# Altium PCB PCB_Vega.PcbDoc (part 1 of 2) (continued)
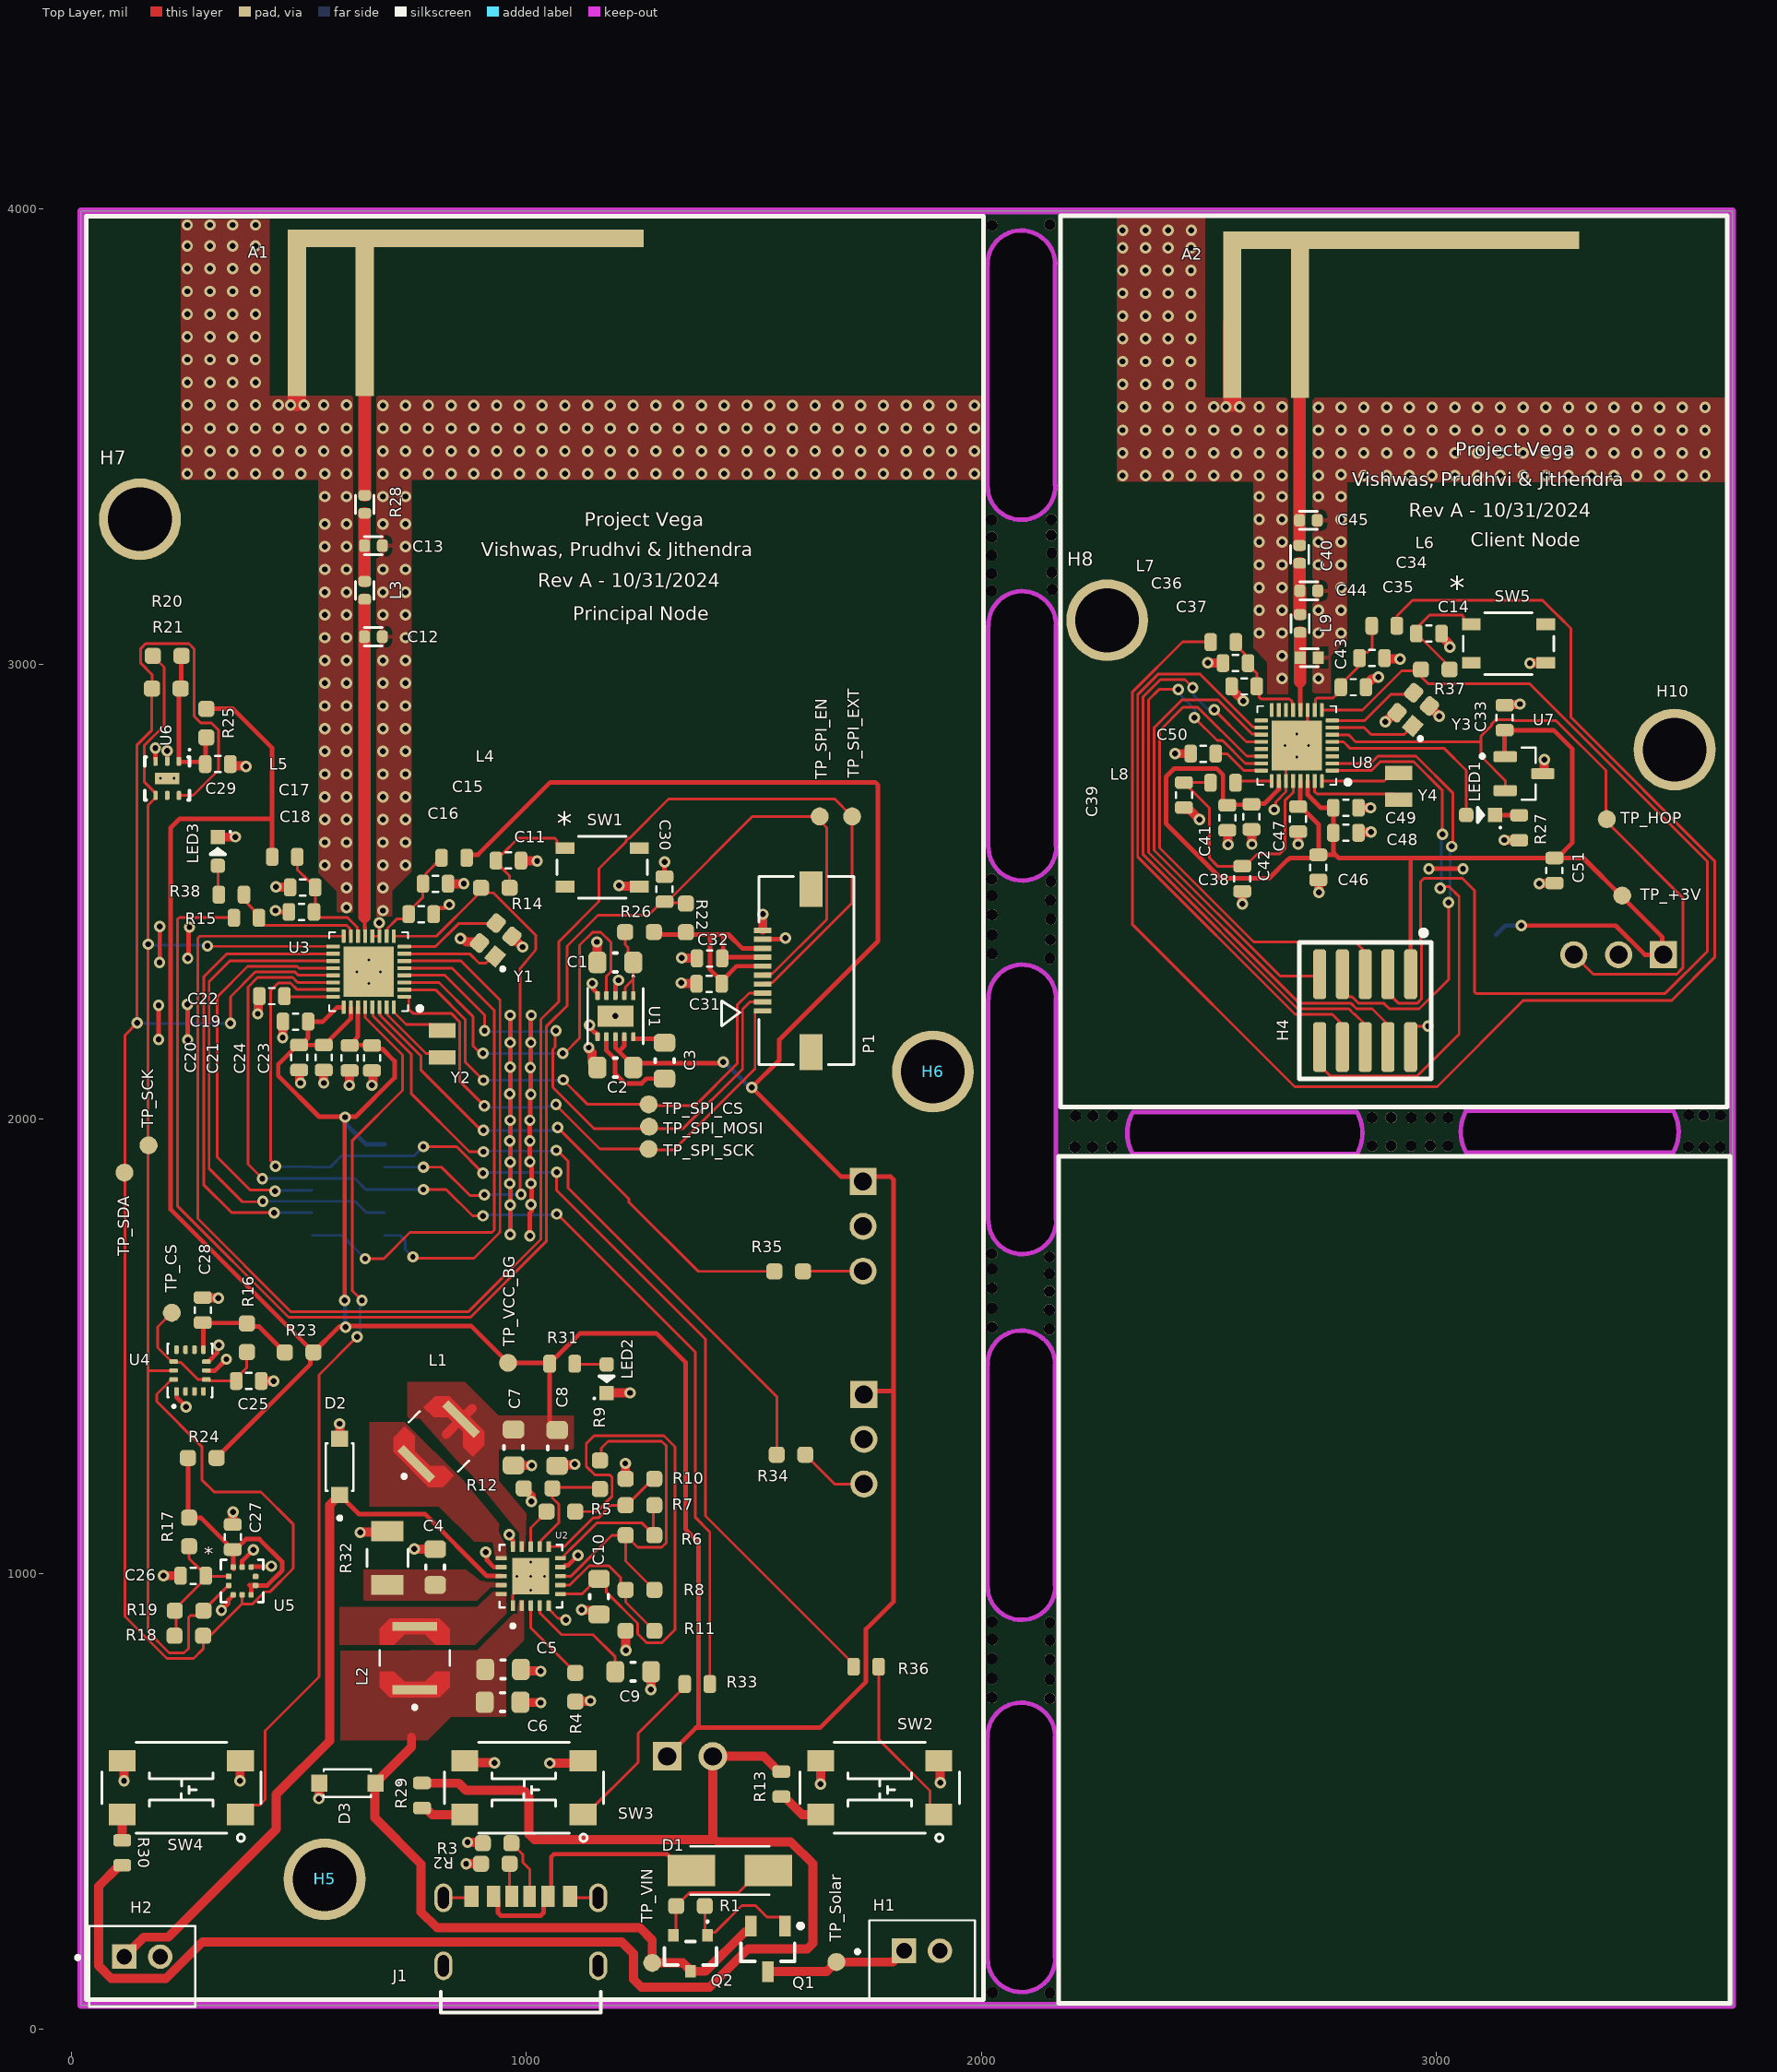
[diagram p0: Top Layer view]
## Part data (continued)
J1: library part "USB-C Power Connector", "USB Connector, 24 Contact(s), Female, Right Angle, Solder Terminal, Locking, Receptacle", Manufacturer="Global Connector Technology", Manufacturer Part Number=USB4125-GF-A_REVA2, Package=None, Supplier Part Number=2073-USB4125-GF-ACT-ND, Availability=Unavailable, Category=Connectors, ComponentLink1Description=https://datasheet.octopart.com/USB4125-GF-A-Global-Connector-Technology-datasheet-148864632.pdf?src-supplier=Future+Electronics, ComponentLink1URL=https://datasheet.octopart.com/USB4125-GF-A-Global-Connector-Technology-datasheet-148864632.pdf?src-supplier=Future+Electronics, ComponentLink2Description=https://datasheet.octopart.com/USB4125-GF-A-GCT-datasheet-166929326.pdf?src-supplier=SOS+electronic, ComponentLink2URL=https://datasheet.octopart.com/USB4125-GF-A-GCT-datasheet-166929326.pdf?src-supplier=SOS+electronic, Gender=Receptacle, Orientation=Horizontal, Pins=6, Price=None, Pricing="1=0.8, 10=0.609, 25=0.5472, 50=0.505, 100=0.4667, 250=0.42128, 500=0.3905, 1000=0.36254, 2000=0.3372, 3000=0.32348, 5000=0.3073, 7000=0.29727, 10000=0.28716, 25000=0.2675 (USD)", RoHS=No, Stock=9026, Supplier=Digikey
J2: "Connector Header Through Hole 3 position 0.098 (2.50mm)", Package=None, Supplier Part Number 1=455-S3B-XH-A-ND, Check_prices=https://www.snapeda.com/parts/B3B-XH-A(LF)(SN)/JST+Sales+America+Inc./view-part/?ref=eda, MF="JST Sales", MP=B3B-XH-A(LF)(SN), SnapEDA_Link=https://www.snapeda.com/parts/B3B-XH-A(LF)(SN)/JST+Sales+America+Inc./view-part/?ref=snap, Supplier 1=Digikey
J3 J4: "Board Connector, 3 Contact(s), 1 Row(s), Male, Right Angle, Solder Terminal", Manufacturer=JST, Package=None, Supplier Part Number=455-S3B-XH-A-ND, Category="FFC / FPC", Check_prices=https://www.snapeda.com/parts/B3B-XH-A(LF)(SN)/JST+Sales+America+Inc./view-part/?ref=eda, ComponentLink1Description=https://datasheet.ciiva.com/8052/621903-8052222.pdf?src-supplier=Element14, ComponentLink1URL=https://datasheet.ciiva.com/8052/621903-8052222.pdf?src-supplier=Element14, Contact Material=Brass, Contact Plating=Tin, Gender=Male, Manufacturer Part Number=S3B-XH-A, MF="JST Sales", MP=B3B-XH-A(LF)(SN), Number of Contacts=3, Number of Rows=1, Pricing="1=0.19, 10=0.146, 100=0.1118, 500=0.09304, 1000=0.08614, 5000=0.07248, 10000=0.06971 (USD)", Reach SVHC Compliant=No, RoHS=Yes, Series=XH, SnapEDA_Link=https://www.snapeda.com/parts/B3B-XH-A(LF)(SN)/JST+Sales+America+Inc./view-part/?ref=snap, Stock=168930, Supplier=Digikey, Supplier 1=Digikey, Supplier Part Number 1=455-S3B-XH-A-ND, Termination="Through Hole"
L1: library part LPS4018-103MRB, "Power inductor, shielded, 20/30% tol, SMT, RoHS, lead-free, halogen-free", Package=None, Check_prices=https://www.snapeda.com/parts/LPS4018-103MRB/Coilcraft/view-part/?ref=eda, MF=Coilcraft, MP=LPS4018-103MRB, SnapEDA_Link=https://www.snapeda.com/parts/LPS4018-103MRB/Coilcraft/view-part/?ref=snap
L2: library part LPS4018-223MRC, "22 µH Shielded Drum Core Inductor 650 mA 360mOhm Max Nonstandard", Package=None, Check_prices=https://www.snapeda.com/parts/LPS4018-223MRC/Coilcraft/view-part/?ref=eda, MF=Coilcraft, MP=LPS4018-223MRC, SnapEDA_Link=https://www.snapeda.com/parts/LPS4018-223MRC/Coilcraft/view-part/?ref=snap
L3 L9: library part IND_0402, "Inductor Package 0603", Package="0603 Murata", Availability=Unavailable, MF="Murata Electronics", MP=LQM18DN100M70L, Price=None, SnapEDA_Link=https://www.snapeda.com/parts/LQM18DN100M70L/Murata/view-part/4834755/?ref=snap
L4 L5 L6 L7 L8: library part LQM18DN100M70L, "Inductor with Inductance 10uH Tol.+/-20% Package 0603 (1608)", Package="0603 Murata", Availability=Unavailable, MF="Murata Electronics", MP=LQM18DN100M70L, Price=None, SnapEDA_Link=https://www.snapeda.com/parts/LQM18DN100M70L/Murata/view-part/4834755/?ref=snap
LED1 LED3: library part LED_green, "LED, 0603, GREEN, 430MCD, 520NM", Color=Green, Current - Test=20mA, Manufacturer="Wurth Electronics", Manufacturer Part Number=150060GS75000, Millicandela Rating=430mcd, Package / Case="0603 (1608 Metric)", Standard Package=4,000, Supplier Part Number 1=732-4971-1-ND, Voltage - Forward (Vf) (Typ)=3.2V, 3D Model="SMCW_0603.igs /  / SMCW_0603.stp /  / SMCW_0603.wrl", Category=Optoelectronics, ComponentLink1Description=https://katalog.we-online.de/led/datasheet/150060GS75000.pdf?src-supplier=Digi-Key, ComponentLink1URL=https://katalog.we-online.de/led/datasheet/150060GS75000.pdf?src-supplier=Digi-Key, ComponentLink2Description=http://www.produktinfo.conrad.com/datenblaetter/750000-774999/759427-da-01-en-CHIPLED_0603_W_KL_GRUEN_150060GS75000.pdf?src-supplier=Conrad, ComponentLink2URL=http://www.produktinfo.conrad.com/datenblaetter/750000-774999/759427-da-01-en-CHIPLED_0603_W_KL_GRUEN_150060GS75000.pdf?src-supplier=Conrad, Dynamic Catalog="0603 Rectangle with Flat Top Chip LEDs", Family="LED Indication - Discrete", Height=0.70mm, Lens Style/Size="Rectangle with Flat Top, 1.1mm x 0.7mm", Lens Type=Clear, Mounting Type="Surface Mount", Online Catalog="0603 Rectangle with Flat Top Chip LEDs", Other Names=732-4971-2, Packaging="Tape & Reel (TR)", Pricing 1="1=0.14, 50=0.129, 100=0.11, 500=0.095 (USD)", Series=WL-SMCW, Size / Dimension="1.60mm L x 0.80mm W", Stock 1=34964, Supplier 1=Digi-Key, Viewing Angle=140°, Wavelength - Dominant=520nm, Wavelength - Peak=515nm
LED2: library part LED_green, "430mcd Colorless transparence 520nm Emerald 140° LED0603 Light Emitting Diodes (LED) ROHS", Case Code (Imperial)=0603, Case Code (Metric)=1608, Color=Green, Current - Test=20mA, Forward Current=30mA, Forward Voltage=3.2V, Lens Color=Colorless, Manufacturer="Wurth Electronics", Manufacturer Part Number=150060GS75000, Max Operating Temperature=85°C, Max Reverse Voltage (DC)=5V, Millicandela Rating=430mcd, Min Operating Temperature=-40°C, Output Current=10uA, Package / Case="0603 (1608 Metric)", Package Quantity=1, Power Dissipation=105mW, Standard Package=4,000, Supplier Part Number=732-4971-1-ND, 3D Model="SMCW_0603.igs /  / SMCW_0603.stp /  / SMCW_0603.wrl", Case/Package=0603, Category=Optoelectronics, ComponentLink1Description=https://katalog.we-online.de/led/datasheet/150060GS75000.pdf?src-supplier=Digi-Key, ComponentLink1URL=https://katalog.we-online.de/led/datasheet/150060GS75000.pdf?src-supplier=Digi-Key, ComponentLink2Description=http://www.produktinfo.conrad.com/datenblaetter/750000-774999/759427-da-01-en-CHIPLED_0603_W_KL_GRUEN_150060GS75000.pdf?src-supplier=Conrad, ComponentLink2URL=http://www.produktinfo.conrad.com/datenblaetter/750000-774999/759427-da-01-en-CHIPLED_0603_W_KL_GRUEN_150060GS75000.pdf?src-supplier=Conrad, ComponentLink3Description=https://datasheet.ciiva.com/29562/150060gs75000-29562868.pdf?src-supplier=Digikey, ComponentLink3URL=https://datasheet.ciiva.com/29562/150060gs75000-29562868.pdf?src-supplier=Digikey, ComponentLink4Description=https://datasheet.ciiva.com/29279/759427-da-01-en-chipled-0603-w-kl-gruen-150060gs75000-29279201.pdf?src-supplier=Conrad, ComponentLink4URL=https://datasheet.ciiva.com/29279/759427-da-01-en-chipled-0603-w-kl-gruen-150060gs75000-29279201.pdf?src-supplier=Conrad, ComponentLink5Description=https://datasheet.ciiva.com/29562/150060gs75000-29562869.pdf?src-supplier=Digikey, ComponentLink5URL=https://datasheet.ciiva.com/29562/150060gs75000-29562869.pdf?src-supplier=Digikey, ComponentLink6Description=https://datasheet.ciiva.com/29562/150060gs75000-29562870.pdf?src-supplier=Digikey, ComponentLink6URL=https://datasheet.ciiva.com/29562/150060gs75000-29562870.pdf?src-supplier=Digikey, Dominant Wavelength=520nm, Dynamic Catalog="0603 Rectangle with Flat Top Chip LEDs", Family="LED Indication - Discrete", Height=0.70mm, Lead Free="Lead Free", Length=1.6mm, Lens Size=0.7mm, Lens Style=Clear,Flat,Rectangular, Lens Style/Size="Rectangle with Flat Top, 1.1mm x 0.7mm", Lens Transparency=Clear, Lens Type=Clear, Luminous Intensity=430mcd, Mounting Technology="Surface Mount", Mounting Type="Surface Mount", Online Catalog="0603 Rectangle with Flat Top Chip LEDs", Other Names=732-4971-2, Packaging="Tape & Reel (TR)", Pricing="1=0.15, 50=0.142, 100=0.122, 500=0.105 (USD)", Pricing 1="1=0.14, 50=0.129, 100=0.11, 500=0.095 (USD)", Reach SVHC Compliant=Unknown, Reverse Voltage=5V, RoHS=Yes, RoHS Compliant=Yes, Series=WL-SMCW, Size / Dimension="1.60mm L x 0.80mm W", Stock=122246, Stock 1=34964, Supplier=Digikey, Supplier 1=Digi-Key, Supplier Part Number 1=732-4971-1-ND, Test Current=20mA, Viewing Angle=140°, Voltage - Forward (Vf) (Typ)=3.2V, Wavelength=520nm, Wavelength - Dominant=520nm, Wavelength - Peak=515nm, Width=0.8mm
P1: library part 5051101092, "Easy-On FFC/FPC Connector, 0.50mm Pitch, FD19 Series, Right-Angle, Bottom Contact, 1.90mm Height, 10 Circuits, Gold over Nickel Plating", Actuator Color=Black, Flammability Rating="UL94 V-0", Housing Color=Beige, Manufacturer=Molex, Manufacturer Part Number=505110-1092, Max Operating Temperature=105°C, Min Operating Temperature=-40°C, Supplier Part Number=WM12366CT-ND, Voltage Rating=50V, Actuator Material=Nylon,Glass,Polyamide, Category="FFC / FPC", ComponentLink1Description=http://www.farnell.com/datasheets/2215713.pdf?src-supplier=Farnell, ComponentLink1URL=http://www.farnell.com/datasheets/2215713.pdf?src-supplier=Farnell, ComponentLink2Description=https://media.digikey.com/pdf/Data%20Sheets/Molex%20PDFs/FFC-FPC_Connectors.pdf?src-supplier=Digikey, ComponentLink2URL=https://media.digikey.com/pdf/Data%20Sheets/Molex%20PDFs/FFC-FPC_Connectors.pdf?src-supplier=Digikey, ComponentLink3Description=https://www.mouser.com/ds/2/276/5051101092_FFC_FPC_CONNECTORS-772849.pdf?src-supplier=Mouser, ComponentLink3URL=https://www.mouser.com/ds/2/276/5051101092_FFC_FPC_CONNECTORS-772849.pdf?src-supplier=Mouser, ComponentLink4Description=http://www.alliedelec.com/m/d/498d8ef60ec1840486550b3bb04c7a47.pdf?src-supplier=Allied+Electronics, ComponentLink4URL=http://www.alliedelec.com/m/d/498d8ef60ec1840486550b3bb04c7a47.pdf?src-supplier=Allied+Electronics, ComponentLink5Description=https://www.molex.com/datasheets/rohspdf/5051101092_rohs.pdf?src-supplier=Digikey, ComponentLink5URL=https://www.molex.com/datasheets/rohspdf/5051101092_rohs.pdf?src-supplier=Digikey, ComponentLink6Description=https://datasheet.octopart.com/505110-1092-Molex-datasheet-62088043.pdf?src-supplier=Farnell, ComponentLink6URL=https://datasheet.octopart.com/505110-1092-Molex-datasheet-62088043.pdf?src-supplier=Farnell, ComponentLink7Description=http://www.farnell.com/datasheets/2014276.pdf?src-supplier=Element14, ComponentLink7URL=http://www.farnell.com/datasheets/2014276.pdf?src-supplier=Element14, ComponentLink8Description=http://www.farnell.com/datasheets/2215713.pdf?src-supplier=Element14, ComponentLink8URL=http://www.farnell.com/datasheets/2215713.pdf?src-supplier=Element14, ComponentLink9Description=https://datasheet.octopart.com/505110-1092-Molex-datasheet-77521069.pdf?src-supplier=Element14, ComponentLink9URL=https://datasheet.octopart.com/505110-1092-Molex-datasheet-77521069.pdf?src-supplier=Element14, ComponentLink10Description=http://www.farnell.com/datasheets/2215713.pdf?src-supplier=Newark, ComponentLink10URL=http://www.farnell.com/datasheets/2215713.pdf?src-supplier=Newark, Contact Material=Bronze, Contact Plating=Gold, Gender=Receptacle, Height=4.15mm, Housing Material=Polymer, Mating Cycles=25, Mounting Technology="Surface Mount", Number of Circuits=10, Number of Contacts=10, Number of Positions=10, Number of Rows=1, Orientation="Right Angle", Packaging="Cut Tape", Pins=10, Plating=Gold, Pricing="1=0.73, 10=0.545, 25=0.4884, 50=0.4514, 100=0.4185, 250=0.3808, 500=0.35616, 1000=0.33441, 3000=0.3051, 6000=0.28943, 9000=0.28114, 15000=0.27155, 21000=0.26571, 30000=0.26151 (USD)", Reach SVHC Compliant=Unknown, RoHS=Yes, RoHS Compliant=Yes, Series="Easy-On FD19 505110", Stock=64732, Supplier=Digikey, Termination=Solder
Q1: library part CMP-013-00018-3, "P-Channel Enhancement Mode Power MOSFET, 30 V, 4.3 A, - 55 to 150 degC, 3-Pin SOT23, RoHS, Tape and Reel", Case/Package=SOT23-3, Manufacturer="NCE Power", Package Description="3-Pin Small Outline Transistor, Body 2.9 x 1.3 mm, Pitch 0.95 mm", Datasheet URL=http://www.ncepower.com/Upload/MOSFET/mos1/55vpmos/NCE3407Adatasheet-17275285683.pdf, Datasheet Version="Rev. 1.1, 07/2014", Mounting Technology=SM, Package Reference=SOT23-3, RoHS Compliant=Unknown
Q2: library part CMP-013-00011-4, "N-channel Trench MOSFET, 60 V, 300 mA, -65 to 150 degC, 3-Pin SOT-23 (TO-236AB), RoHS, Tape and Reel", Case/Package=TO-236-3, Input Capacitance=50pF, Manufacturer="NXP Semiconductors", Max Dual Supply Voltage=60V, Max Operating Temperature=150°C, Min Operating Temperature=-65°C, Package Description="3-Pin Small Outline Transistor, Body 1.3 x 2.9 mm, Pitch 0.95 mm", Package Quantity=1, Package Reference=SOT23-3, Package Version=Feb-16, Power=830mW, Datasheet URL=http://www.nxp.com/documents/data_sheet/2N7002.pdf, Datasheet Version="Rev. 7, 09/2011", Elements=1, Mounting Technology=SM, Nominal Dual Supply Voltage=60V, Nominal Vgs=2V, Packaging=TapeandReel, Pins=8, Rds On Max=5Ohm, RoHS Compliant=True, Vds Max=60V
R1 R3 R13 R29 R30: library part RC0603FR-07316KL, "SMD Chip Resistor, 5.1KOhm, ± 1%, 100 mW, 0603 [1608 Metric], Thick Film, General Purpose", Case Code (Imperial)=0603, Case Code (Metric)=1608, Manufacturer=Yageo, Max Operating Temperature=155°C, Max Power Dissipation=100mW, Min Operating Temperature=-55°C, Supplier Part Number=311-316KHRCT-ND, Temperature Coefficient=100ppm/°C, Tolerance=1%, Voltage Rating=50V, Case/Package=0603, Category="Chip SMD Resistors", ComponentLink1Description=https://datasheet.ciiva.com/2454/pyu-r-int-thick-7-2454966.pdf?src-supplier=Digikey, ComponentLink1URL=https://datasheet.ciiva.com/2454/pyu-r-int-thick-7-2454966.pdf?src-supplier=Digikey, ComponentLink2Description=https://datasheet.ciiva.com/2454/pyu-r-int-thick-7-2454967.pdf?src-supplier=Digikey, ComponentLink2URL=https://datasheet.ciiva.com/2454/pyu-r-int-thick-7-2454967.pdf?src-supplier=Digikey, ComponentLink3Description=https://datasheet.ciiva.com/2454/pyu-r-int-thick-7-2454968.pdf?src-supplier=Digikey, ComponentLink3URL=https://datasheet.ciiva.com/2454/pyu-r-int-thick-7-2454968.pdf?src-supplier=Digikey, Features="Moisture Resistant", Lead Free="Lead Free", Manufacturer Part Number=RC0603FR-07316KL, Mounting Technology="Surface Mount", Number of Terminations=2, Packaging="Tape and Reel", Power Rating=100mW, Pricing="1=0.1, 10=0.019, 50=0.0112, 100=0.0093, 500=0.00622, 1000=0.00532 (USD)", RoHS=Yes, RoHS Compliant=Yes, Series=RC, Stock=149463, Supplier=Digikey, Termination=SMD/SMT, Voltage Rating (DC)=50V
R2 R4 R5 R6 R7 R8 R9 R10 R11 R12: library part RC0603FR-07316KL, "SMD Chip Resistor, 316 kOhm, ± 1%, 100 mW, 0603 [1608 Metric], Thick Film, General Purpose", Case Code (Imperial)=0603, Case Code (Metric)=1608, Manufacturer=Yageo, Max Operating Temperature=155°C, Max Power Dissipation=100mW, Min Operating Temperature=-55°C, Supplier Part Number=311-316KHRCT-ND, Temperature Coefficient=100ppm/°C, Tolerance=1%, Voltage Rating=50V, Case/Package=0603, Category="Chip SMD Resistors", ComponentLink1Description=https://datasheet.ciiva.com/2454/pyu-r-int-thick-7-2454966.pdf?src-supplier=Digikey, ComponentLink1URL=https://datasheet.ciiva.com/2454/pyu-r-int-thick-7-2454966.pdf?src-supplier=Digikey, ComponentLink2Description=https://datasheet.ciiva.com/2454/pyu-r-int-thick-7-2454967.pdf?src-supplier=Digikey, ComponentLink2URL=https://datasheet.ciiva.com/2454/pyu-r-int-thick-7-2454967.pdf?src-supplier=Digikey, ComponentLink3Description=https://datasheet.ciiva.com/2454/pyu-r-int-thick-7-2454968.pdf?src-supplier=Digikey, ComponentLink3URL=https://datasheet.ciiva.com/2454/pyu-r-int-thick-7-2454968.pdf?src-supplier=Digikey, Features="Moisture Resistant", Lead Free="Lead Free", Manufacturer Part Number=RC0603FR-07316KL, Mounting Technology="Surface Mount", Number of Terminations=2, Packaging="Tape and Reel", Power Rating=100mW, Pricing="1=0.1, 10=0.019, 50=0.0112, 100=0.0093, 500=0.00622, 1000=0.00532 (USD)", RoHS=Yes, RoHS Compliant=Yes, Series=RC, Stock=149463, Supplier=Digikey, Termination=SMD/SMT, Voltage Rating (DC)=50V
R14 R16 R17 R18 R19 R20 R21 R22 R23 R24 R25 R26 R34 R35 R37: library part RC0603FR-07140RL, "SMD Chip Resistor, 140 Ohm, ± 1%, 100 mW, 0603 [1608 Metric], Thick Film, General Purpose", Case Code (Imperial)=0603, Case Code (Metric)=1608, Manufacturer=Yageo, Max Operating Temperature=155°C, Max Power Dissipation=100mW, Min Operating Temperature=-55°C, Supplier Part Number=311-140HRCT-ND, Temperature Coefficient=100ppm/°C, Tolerance=1%, Voltage Rating=50V, Case/Package=0603, Category="Chip SMD Resistors", ComponentLink1Description=https://datasheet.ciiva.com/11808/0900766b80c66297-11808828.pdf?src-supplier=Rs, ComponentLink1URL=https://datasheet.ciiva.com/11808/0900766b80c66297-11808828.pdf?src-supplier=Rs, ComponentLink2Description=https://datasheet.ciiva.com/15189/getdatasheetpartid-329205-15189606.pdf?src-supplier=Verical, ComponentLink2URL=https://datasheet.ciiva.com/15189/getdatasheetpartid-329205-15189606.pdf?src-supplier=Verical, Construction=Rectangular, Depth=0.8mm, Features="Moisture Resistant", Height=0.45mm, Lead Free="Lead Free", Length=1.6mm, Manufacturer Part Number=RC0603FR-07140RL, Military Standard=Not, Mounting Technology="Surface Mount", Number of Terminations=2, Packaging="Tape and Reel", Power Rating=100mW, Pricing="1=0.1, 10=0.019, 50=0.0112, 100=0.0093, 500=0.00622, 1000=0.00532, 5000=0.00382, 10000=0.00335, 25000=0.00287, 35000=0.00278, 50000=0.00257, 125000=0.00232 (USD)", RoHS=Yes, RoHS Compliant=Yes, Series=RC, Stock=238807, Supplier=Digikey, Technology="THICK FILM", Termination=SMD/SMT, Voltage Rating (DC)=50V
R15 R27 R31 R33 R36 R38: library part RES_0603, "Thick film general purpose resistor 0603", Package=None, Availability=Unavailable, MP=RC0603JR-070RL, Price=None
R28: library part R_0Ohm_0402, "CHIP RESISTOR - SURFACE MOUNT 0OHMS ±1% 1/16W 0402 ROHS", LCSC Part#=C17168, MFR Part #=0402WGF0000TCE, Datasheet=https://datasheet.lcsc.com/szlcsc/Uniroyal-Elec-0402WGF0000TCE_C17168.pdf, Type=Basic
R32: library part R_10KOhm_1206, "10 kOhms ±5% 0.25W, 1/4W Chip Resistor 1206 (3216 Metric) Automotive AEC-Q200 Thick Film", LCSC Part#=C17902, MFR Part #=RMCF1206FT10K0, Digikey Link=https://www.digikey.com/en/products/detail/stackpole-electronics-inc/RMCF1206FT10K0/1759669, Type=Basic
SW1 SW5: library part PTS810SJM250SMTRLFS, "Switch Tactile N.O. SPST Button J-Bend 0.05A 16V 150000Cycles 1.569N SMD T/R", Actuator Color=Grey, Case/Package=SMD/SMT, Color=Black, Contact Current Rating=50mA, Contact Resistance=500mR, Manufacturer="ITT C&K", Max Operating Temperature=85°C, Min Operating Temperature=-40°C, Operating Force=160gf, Package Quantity=2900, Supplier Part Number=CKN10502CT-ND, Voltage Rating (DC)=16V, Actuator Type=Standard, ComponentLink1Description=https://datasheet.ciiva.com/24082/pts810-4mar13-248115-24082262.pdf?src-supplier=Mouser, ComponentLink1URL=https://datasheet.ciiva.com/24082/pts810-4mar13-248115-24082262.pdf?src-supplier=Mouser, ComponentLink2Description=https://datasheet.ciiva.com/18514/pts810-4mar13-18514058.pdf?src-supplier=Digikey, ComponentLink2URL=https://datasheet.ciiva.com/18514/pts810-4mar13-18514058.pdf?src-supplier=Digikey, ComponentLink3Description=https://datasheet.ciiva.com/18514/pts810-4mar13-18514059.pdf?src-supplier=Digikey, ComponentLink3URL=https://datasheet.ciiva.com/18514/pts810-4mar13-18514059.pdf?src-supplier=Digikey, ComponentLink4Description=https://datasheet.ciiva.com/18514/pts810-4mar13-18514060.pdf?src-supplier=Digikey, ComponentLink4URL=https://datasheet.ciiva.com/18514/pts810-4mar13-18514060.pdf?src-supplier=Digikey, Contact Plating=Silver, Current Rating=50mA, Depth=4.6mm, Illumination Type=Non-Illuminated, Lead Free="Lead Free", Length=3.2mm, Manufacturer Part Number=PTS810SJM250SMTRLFS, Max Current Rating=50mA, Mechanical Life=150000Cycles, Mounting Technology="Surface Mount", Number of Positions=2, Orientation=Straight, Packaging="Tape and Reel", Pins=4, Pricing="1=0.49, 10=0.474, 25=0.4568, 100=0.3954, 250=0.36028, 500=0.3339, 1000=0.29876, 2900=0.28294, 5800=0.26185, 14500=0.24428 (USD)", RoHS=Yes, RoHS Compliant=Yes, Series=PTS810, Stock=130228, Supplier=Digikey, Switch Function=Off-Mom, Switch Travel=0.15mm, Termination=J-Bend, Throw Configuration=SPST
SW2 SW3 SW4: library part SW_Push_Button_JLC, "Tactile Switch SPST-NO Top Actuated Surface Mount", LCSC Part#=C2837550, MFR Part #=KH-4.5X4.5X4.3H-STM, Datasheet=https://datasheet.lcsc.com/lcsc/2106081532_Shenzhen-Kinghelm-Elec-KH-4.5X4.5X4.3H-STM_C2837550.pdf, Type=Extended
TP_+3V TP_HOP: library part Test_point, "SMT Test Point- Mininature-1000 pc Reels", Package=None, Availability="In Stock", MF="Keystone Electronics", MP=5019, Price=None, Purchase-URL=https://pricing.snapeda.com/search/part/5019/?ref=eda
TP_CS TP_SCK TP_SDA TP_Solar TP_SPI_CS TP_SPI_EN TP_SPI_EXT TP_SPI_MOSI TP_SPI_SCK TP_VCC_BG TP_VIN: "SMT Test Point- Mininature-1000 pc Reels", Package=None, Availability="In Stock", MF="Keystone Electronics", MP=5019, Price=None, Purchase-URL=https://pricing.snapeda.com/search/part/5019/?ref=eda
U1: "Voltage Regulators - Switching Regulators Reg Switch Capacitor Boost Reg", Frequency=1.7MHz, Manufacturer="TI National Semiconductor", Manufacturer Part Number=LM2750SD-5.0/NOPB, Max Operating Temperature=85°C, Max Output current=120mA, Max Output Voltage=5V, Max Supply Voltage=5.6V, Min Input Voltage=2.7V, Min Operating Temperature=-40°C, Min Output Voltage=4.8V, Operating Supply Current=5mA, Package=None, Supplier Part Number=LM2750SD-5.0/NOPBCT-ND, Availability=Unavailable, Category="Voltage Regulators - Switching", ComponentLink1Description=https://datasheet.ciiva.com/5699/1781827-5699312.pdf?src-supplier=Farnell, ComponentLink1URL=https://datasheet.ciiva.com/5699/1781827-5699312.pdf?src-supplier=Farnell, ComponentLink2Description=https://datasheet.ciiva.com/6598/lm2750-6598374.pdf?src-supplier=Digikey, ComponentLink2URL=https://datasheet.ciiva.com/6598/lm2750-6598374.pdf?src-supplier=Digikey, ComponentLink3Description=https://datasheet.ciiva.com/7994/59930-7994364.pdf?src-supplier=Element14, ComponentLink3URL=https://datasheet.ciiva.com/7994/59930-7994364.pdf?src-supplier=Element14, Efficiency=87%, Height=0.8mm, Lead Free="Lead Free", Length=3mm, Min Supply Voltage=2.7V, Mounting Technology="Surface Mount", MP=LM2750SD-5-0, Nominal Output Voltage=5V, Number of Outputs=1, Output Current=120mA, Output Type=Fixed, Output Voltage=5V, Packaging="Tape and Reel", Pins=10, Price=None, Pricing="1=2.34, 10=1.674, 25=1.5068, 100=1.3227, 250=1.23504, 500=1.18214 (USD)", Quiescent Current=5mA, Radiation Hardening=No, Reach SVHC Compliant=No, RoHS=Yes, RoHS Compliant=Yes, Series=LM2750, Stock=1468, Supplier=Digikey, Supplier 1=Digikey, Supplier Part Number 1=LM2750SD-5.0/NOPBCT-ND, Switching Frequency=1.7MHz, Termination=SMD/SMT, Thickness=750um, Topology=Boost, Width=3mm
U2: "Switching Battery Charger Li-Ion/Li-Pol/Supercapacitor 110mA 2.2V to 5.5V 20-Pin VQFN EP T/R", Case/Package=VQFN, Manufacturer="Texas Instruments", Manufacturer Part Number=BQ25570RGRT, Max Operating Temperature=125°C, Max Supply Voltage=5.1V, Min Operating Temperature=-40°C, Min Supply Voltage=100mV, Operating Supply Current=488nA, Output Current=100mA, Package Quantity=250, Supplier Part Number=296-37014-1-ND, Switching Frequency=1MHz, Category="Battery Management", ComponentLink1Description=https://datasheet.ciiva.com/28483/1768287-28483478.pdf?src-supplier=Element14, ComponentLink1URL=https://datasheet.ciiva.com/28483/1768287-28483478.pdf?src-supplier=Element14, ComponentLink2Description=https://datasheet.ciiva.com/24110/slusbh2c-317150-24110945.pdf?src-supplier=Mouser, ComponentLink2URL=https://datasheet.ciiva.com/24110/slusbh2c-317150-24110945.pdf?src-supplier=Mouser, ComponentLink3Description=https://datasheet.ciiva.com/29590/bq25570-29590197.pdf?src-supplier=Digikey, ComponentLink3URL=https://datasheet.ciiva.com/29590/bq25570-29590197.pdf?src-supplier=Digikey, ComponentLink4Description=https://datasheet.ciiva.com/29590/bq25570-29590198.pdf?src-supplier=Digikey, ComponentLink4URL=https://datasheet.ciiva.com/29590/bq25570-29590198.pdf?src-supplier=Digikey, ComponentLink5Description=https://datasheet.ciiva.com/29892/bq25570-29892856.pdf?src-supplier=Avnet, ComponentLink5URL=https://datasheet.ciiva.com/29892/bq25570-29892856.pdf?src-supplier=Avnet, ComponentLink6Description=https://datasheet.ciiva.com/29892/bq25570-29892857.pdf?src-supplier=Avnet, ComponentLink6URL=https://datasheet.ciiva.com/29892/bq25570-29892857.pdf?src-supplier=Avnet, Contact Plating=Gold, Lead Free="Lead Free", Mounting Technology="Surface Mount", Packaging="Tape and Reel", Pins=20, Pricing="1=9.11, 10=6.836, 25=6.2676, 100=5.6427 (USD)", Radiation Hardening=No, Reach SVHC Compliant=No, RoHS=Yes, RoHS Compliant=Yes, Series=-, Stock=646, Supplier=Digikey
U3: "Blue Gecko, QFN32, 2.4G, 10dB, Bluetooth 5.1, 1024kB, 96kB(RAM), 20 GPIO", Manufacturer="Silicon Labs", Supplier Part Number=336-5869-1-ND, Category="RF Receivers, Transceivers", ComponentLink1Description=https://www.silabs.com/documents/login/data-sheets/efr32bg21-datasheet.pdf?src-supplier=Digikey, ComponentLink1URL=https://www.silabs.com/documents/login/data-sheets/efr32bg21-datasheet.pdf?src-supplier=Digikey, ComponentLink2Description=https://datasheet.octopart.com/EFR32BG21A010F1024IM32-BR-Silicon-Labs-datasheet-142046433.pdf?src-supplier=Arrow.cn, ComponentLink2URL=https://datasheet.octopart.com/EFR32BG21A010F1024IM32-BR-Silicon-Labs-datasheet-142046433.pdf?src-supplier=Arrow.cn, Manufacturer Part Number=EFR32BG21A010F1024IM32-BR, Pricing="1=4.27, 10=3.816, 25=3.4348, 100=3.1293, 250=2.82404, 500=2.6875 (USD)", RoHS=No, Stock=38892, Supplier=Digikey
U4: "Accelerometer, Gyroscope, 6 Axis Sensor IÂ²C, SPI Output", Package="LGA-14 Bosch Sensortec", Supplier Part Number 1=828-1091-1-ND, Check_prices=https://www.snapeda.com/parts/BMI270/Bosch+Sensortec/view-part/?ref=eda, Digi-Key_Part_Number=828-1091-2-ND, MF="Bosch Sensortec", MP=BMI270, Purchase-URL=https://pricing.snapeda.com/search/part/BMI270/?ref=eda, SnapEDA_Link=https://www.snapeda.com/parts/BMI270/Bosch+Sensortec/view-part/?ref=snap, Supplier 1=Digikey
U5: "No Description Available", Mfr_Name="Bosch Sensortec", RefDes=RefDes, Type=Type
U6: "Digital ambient light sensor (ALS) with high-precision human-eye response 6-USON -40 to 85", Clock Frequency=2.6MHz, Manufacturer="Texas Instruments", Max Operating Temperature=85°C, Max Supply Voltage=3.6V, Min Operating Temperature=-40°C, Min Supply Voltage=1.6V, Supplier Part Number=296-40474-1-ND, Category="Integrated Circuits (ICs)", ComponentLink1Description=http://www.ti.com/lit/ds/symlink/opt3001.pdf?src-supplier=Digikey, ComponentLink1URL=http://www.ti.com/lit/ds/symlink/opt3001.pdf?src-supplier=Digikey, ComponentLink2Description=http://www.ti.com/general/docs/lit/getliterature.tsp?genericPartNumber=OPT3001&amp;&amp;fileType=pdf&src-supplier=Farnell, ComponentLink2URL=http://www.ti.com/general/docs/lit/getliterature.tsp?genericPartNumber=OPT3001&amp;&amp;fileType=pdf&src-supplier=Farnell, ComponentLink3Description=http://www.ti.com/general/docs/lit/getliterature.tsp?genericPartNumber=OPT3001&&fileType=pdf&src-supplier=Avnet, ComponentLink3URL=http://www.ti.com/general/docs/lit/getliterature.tsp?genericPartNumber=OPT3001&&fileType=pdf&src-supplier=Avnet, ComponentLink4Description=http://www.ti.com/general/docs/lit/getliterature.tsp?genericPartNumber=OPT3001&&fileType=pdf&src-supplier=Element14, ComponentLink4URL=http://www.ti.com/general/docs/lit/getliterature.tsp?genericPartNumber=OPT3001&&fileType=pdf&src-supplier=Element14, Interface=I2C, Lead Free="Lead Free", Manufacturer Part Number=OPT3001DNPR, Mounting Technology="Surface Mount", Output Type=I2C,Digital, Packaging="Tape and Reel", Pins=6, Pricing="1=2.99, 5=2.52, 10=2.342, 25=2.1248, 50=1.9744, 100=1.8347, 500=1.54766, 1000=1.43839 (USD)", Reach SVHC Compliant=No, RoHS=Yes, RoHS Compliant=Yes, Sensing Method=Optical, Series=-, Stock=51147, Supplier=Digikey, Wavelength=550nm
U7: "Low-power, low-voltage (1.65 V to 5.5 V) Hall-effect switch 3-SOT-23 -40 to 125", Manufacturer="Texas Instruments", Package=None, Supplier Part Number=296-TMAG5231A2DQDBZRCT-ND, Availability=Unavailable, Manufacturer Part Number=TMAG5231A2DQDBZR, MF="{'manufacturer': u'Texas Instruments'}", MP=TMAG5231A2DQDBZR, Price=None, Pricing="1=0.4, 5=0.342, 10=0.317, 25=0.2872, 50=0.267, 100=0.248, 500=0.20916, 1000=0.19436 (USD)", RoHS=No, Stock=1920, Supplier=Digikey, Supplier 1=Digikey, Supplier Part Number 1=296-TMAG5231A2DQDBZRCT-ND
U8: library part EFR32MG22C224F512IM32-C, "Mighty Gecko, QFN32, 2.4G, 6dB, Mesh, 512kB, 32kB(RAM), 18 GPIO", Manufacturer="Silicon Labs", Supplier Part Number=336-EFR32MG22C224F512IM32-C-ND, Category="RF Receivers, Transceivers", ComponentLink1Description=https://media.digikey.com/pdf/Data%20Sheets/Silicon%20Laboratories%20PDFs/EFR32MG22C224F512_DS.pdf?src-supplier=Digikey, ComponentLink1URL=https://media.digikey.com/pdf/Data%20Sheets/Silicon%20Laboratories%20PDFs/EFR32MG22C224F512_DS.pdf?src-supplier=Digikey, Manufacturer Part Number=EFR32MG22C224F512IM32-C, Pricing="1=3, 10=2.68, 25=2.4124, 80=2.19775, 230=1.98339, 490=1.88751 (USD)", RoHS=No, RoHS Compliant=Yes, Series=-, Stock=1733, Supplier=Digikey
Y1 Y3: "38.4 MHz ±10ppm Crystal 10pF 40 Ohms 4-SMD, No Lead", Package=None, Supplier Part Number 1=4606-TZ3398BCT-ND, Availability=Unavailable, MF="{'manufacturer': u'Murata Electronics'}", MP=XRCGB38M400F2P00R0, Price=None, Supplier 1=Digikey
Y2 Y4: "Tuning Fork Crystal 32.768kHz in 1.2 x 2.0mm package", Package="SMD-2 Micro Crystal", Supplier Part Number 1=2195-CM8V-T1A-32.768KHZ-7PF-20PPM-TA-QCCT-ND, Availability="Not in stock", Check_prices=https://www.snapeda.com/parts/CM8V-T1A-32.768KHZ-7PF-20PPM-TA-QC/Micro+Crystal/view-part/?ref=eda, MF="Micro Crystal", MP=CM8V-T1A-32.768KHZ-7PF-20PPM-TA-QC, Price=None, SnapEDA_Link=https://www.snapeda.com/parts/CM8V-T1A-32.768KHZ-7PF-20PPM-TA-QC/Micro+Crystal/view-part/?ref=snap, Supplier 1=Digikey

## Free pads (board coordinates)
  round 25 hole 25 unplated mask+0: 0(2023,1704) 0(2023,2527) 0(2023,3161) 0(2023,3198) 0(2023,3239) 0(2023,3279) 0(2023,3317) 0(2024,728) 0(2024,770) 0(2024,814) 0(2024,856) 0(2024,895) 0(2024,1542) 0(2024,1584) 0(2024,1628) 0(2024,1670) 0(2024,2363) 0(2024,2405) 0(2024,2449) 0(2024,2491) 0(2024,3964) 0(2025,80) 0(2150,1538) 0(2150,1580) 0(2150,1621) 0(2150,1660) 0(2150,1697) 0(2151,79) 0(2151,726) 0(2151,768) 0(2151,812) 0(2151,854) 0(2151,893) 0(2151,2353) 0(2151,3966) 0(2152,2394) 0(2152,2481) 0(2153,2439) 0(2153,2522) 0(2154,3283) 0(2154,3317) 0(2155,3201) 0(2155,3244) 0(2156,3164) 0(2206,1938) 0(2207,2007) 0(2245,1938) 0(2246,2007) 0(2287,1938) 0(2288,2007) 0(2859,1941) 0(2859,2003) 0(2901,1941) 0(2901,2003) 0(2945,1941) 0(2945,2003) 0(2987,1941) 0(2987,2003) 0(3026,1941) 0(3026,2003) 0(3554,1939) 0(3555,2009) 0(3588,2008) 0(3589,1938) 0(3624,1938) 0(3625,2008)

## Via types
v1: diameter 25, hole 13, Top Layer to Bottom Layer, tented both sides, 571 vias
v2: diameter 10, hole 6, Top Layer to Bottom Layer, tented both sides, 13 vias
v3: diameter 25, hole 12, Top Layer to Bottom Layer, tented both sides, 6 vias
v4: diameter 9.84, hole 5.91, Top Layer to Bottom Layer, tented both sides, 2 vias

## Nets (pads, with @x,y where several pads share a name; then routed paths per layer and width w, separated by ;. In a path a pad name is that pad's centre, name@x,y a point inside that pad or via, vN(x,y) a via of type N, cw(c..) or ccw(c..) an arc to the next point about the centre after c; other vN are vias at no path point)
3V3_VDD_BMI270: C28.1 R16.1 R23.2 U4.8 | length 266.9
  Top Layer w10: C28.1@288.78,1552.22 C28.1@289,1552.44 C28.1@289.97,1551.47 ; U4.8@290.53,1492.77 290.53,1550.91 C28.1@289.97,1551.47 ; R23.2@469.5,1487 412.72,1543.79 392.71,1543.79 R16.1@386,1550.5 385.03,1551.47 C28.1@289.97,1551.47
3V3_VDD_BMP581: C27.2 R17.1 R24.2 U5.5 U5.6 U5.10 | length 569.5
  Top Layer w10: R24.2@256.5,1255 256.5,1183 256.75,1182.75 256.75,1125.74 R17.1@259,1123.5 284.94,1123.5 340.72,1067.72 340.72,1063.92 351.2,1053.44 C27.2@355,1053.44 ; U5.10@355.92,1013.61 356.91,1013.61 U5.10@356.91,1010.48 ; U5.10@356,1015 356,1052.44 C27.2@355,1053.44 ; U5.5@395.37,953.98 395.37,972.02 391.84,975.55 404.31,975.55 U5.6@405.21,974.65 430.88,974.65 463.5,1007.27 463.5,1026.73 413.73,1076.5 383.96,1076.5 360.91,1053.44 C27.2@355,1053.44
3V3_VDD_OPT3007: C29.2 R20.2 R21.2 R25.2 U6.1 | length 345.6
  Top Layer w10: U6.1@236,2784.78 290.22,2784.78 294.44,2789 295.72,2790.28 295.72,2837.22 R25.2@297,2838.5 ; U6.1@236.74,2785.51 236.74,2942.24 R21.2@240.5,2946 241.5,2947 241.5,3017 R20.2@242.5,3018
5V: C1.2 R26.1 U1.1 U1.2 | length 191
  Top Layer w6: U1.2@1215.68,2271.28 1217.61,2273.2 1217.61,2289.2 1235.37,2306.96 ; R26.1@1217.5,2411 1217.5,2383.12 1224,2376.62 1224,2355.37 C1.2@1235.37,2344 1235.37,2306.96 ; U1.1@1235.37,2271.28 1235.37,2306.96
5V_VDD_LCD: C31.2 C32.2 P1.6 P1.7 P1.8 R22.2 R26.2 | length 590.1
  Top Layer w10: R26.2@1297.5,2407 1299.25,2405.25 1399,2405.25 ; C31.2@1429.56,2297 C31.2@1429.56,2302.91 ; P1.8@1513.73,2375.21 1474.75,2375.21 1444.71,2405.25 1433,2405.25 ; P1.6@1519.54,2335.84 1462.5,2335.84 C31.2@1429.56,2302.91 ; P1.7@1519.54,2355.53 1433.09,2355.53 1433,2355.61 1433,2405.25 ; 1399,2405.25 1433,2405.25 ; 1399,2405.25 1403.78,2400.47 1403.78,2328.69 C31.2@1429.56,2302.91
+3V: BT1.P1 BT1.P2 C33.2 C41.1 C42.1 C46.1 C47.1 C48.1 C49.1 C51.1 H4.1 J2.1 TP_+3V.TP U7.1 U8.26 U8.29 U8.30 | length 3262.8
  Top Layer w10: C42.1@2594,2691.56 2593,2690.56 2542,2690.56 C41.1@2541,2689.56 2540.19,2689.56 2531.56,2698.19 2531.56,2756.43 2518.3,2769.69 2423.69,2769.69 2406,2752 2406,2649.62 2526.62,2529 2632.92,2529 2674.65,2570.73 2676,2570.73 2678.87,2573.6 2734.04,2573.6 C46.1@2741,2580.56 ; C42.1@2598.07,2692.88 2622.32,2692.88 2654.31,2724.87 U8.26@2654.31,2742.7 ; U8.29@2701.56,2742.7 2701.56,2691.56 C47.1@2696.56,2686.56 2702.46,2686.56 2741.56,2647.46 2741.56,2581.12 C46.1@2741,2580.56 ; U8.30@2717.31,2742.7 2717.31,2713.25 2746.56,2684 C49.1@2774,2684 C48.1@2774,2629 2774,2585.67 2779.11,2580.56 ; C46.1@2731.87,2585.32 C46.1@2731.87,2587.78 ; H4.1@2944,2318 2944,2573.56 ; U7.1@3152.22,2797.4 3150.56,2799.06 C33.2@3150.56,2854.44 3151.06,2853.94 3259.06,2853.94 3299,2814 3299,2606.65 C51.1@3265.91,2573.56 ; v1(3187,2425) 3394.54,2425 3458.54,2361 J2.1@3499.43,2361 3497.17,2363.25 3497.17,2399.83 3410.31,2486.69 3323.44,2573.56 C51.1@3265.91,2573.56 ; TP_+3V.TP@3405.61,2491 TP_+3V.TP@3409,2491 ; C46.1@2741,2580.56 2779.11,2580.56 ; 2779.11,2580.56 2786.11,2573.56 2944,2573.56 ; 2944,2573.56 C51.1@3265.91,2573.56
  Bottom Layer w10: BT1.P1@3131.48,2404 3131.48,2405 3151.48,2425 v1(3187,2425)